# KiCad board Lime_RFE.kicad_pcb (continued)
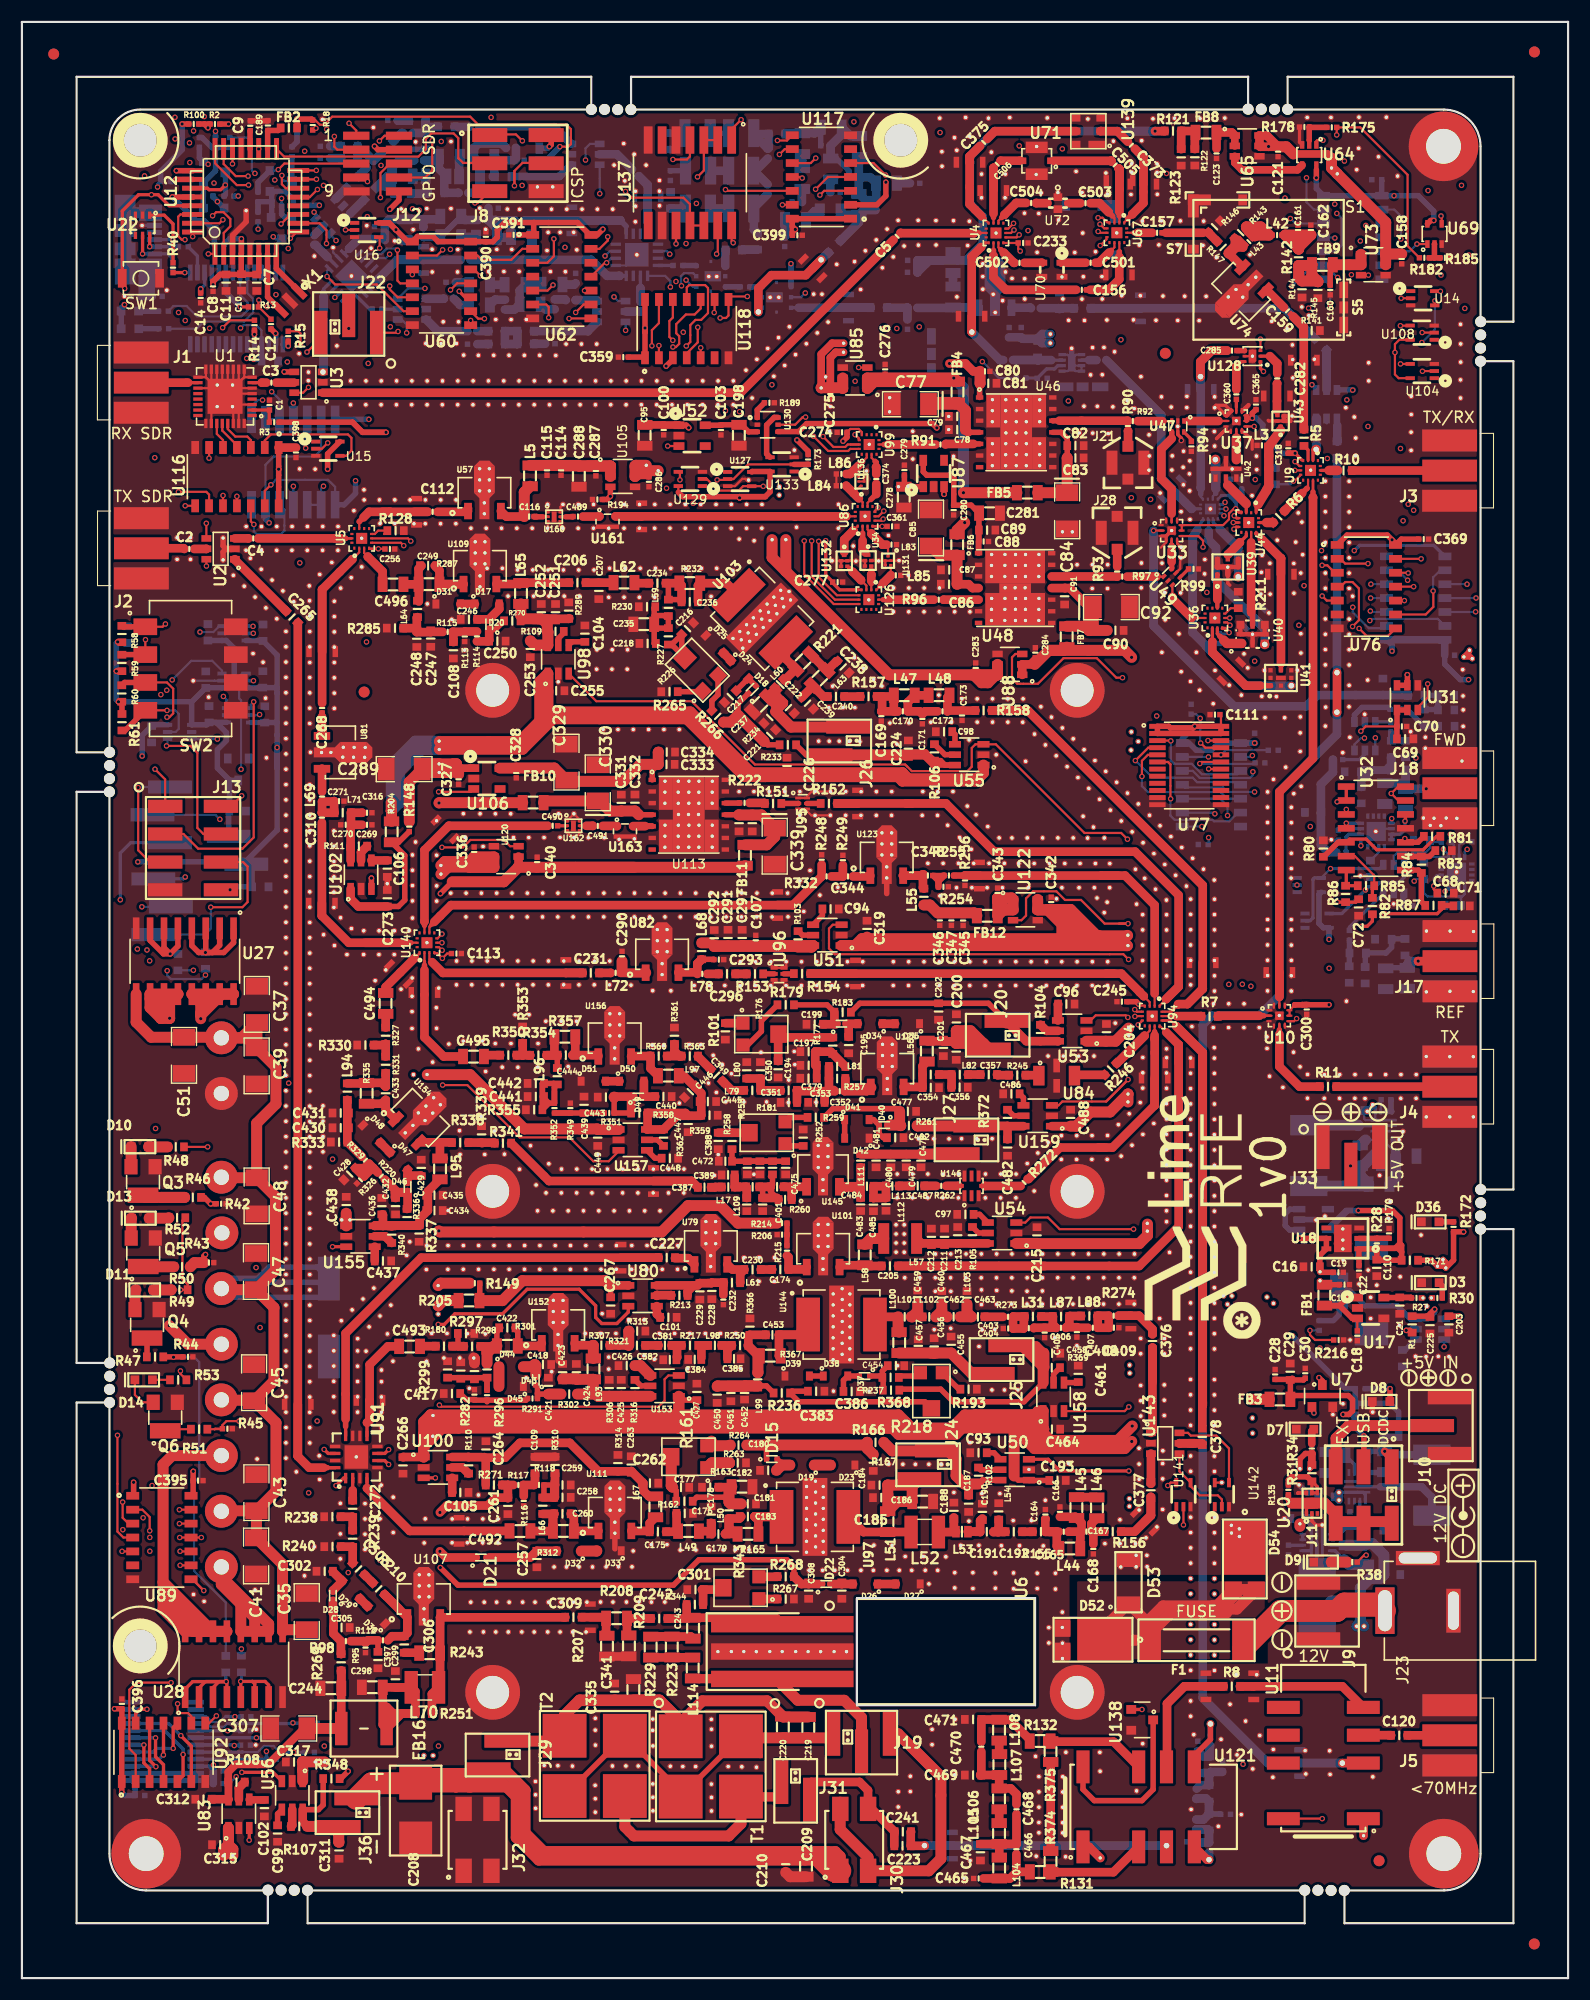
[diagram p0: board, top side]
## Placement (name value [footprint] x y rotation side) (continued)
GND_VIA#1674  VAL**  [GND_VIA]  118.85 80.28 90 top
GND_VIA#1675  VAL**  [GND_VIA]  118.86 82.45 90 top
GND_VIA#1676  VAL**  [GND_VIA]  117.31 80.29 90 top
GND_VIA#1677  VAL**  [GND_VIA]  117.32 82.46 90 top
GND_VIA#1678  VAL**  [GND_VIA]  116.64 83.16 90 top
GND_VIA#1679  VAL**  [GND_VIA]  115.07 81.28 90 top
GND_VIA#1680  VAL**  [GND_VIA]  113.63 85.89 180 top
GND_VIA#1681  VAL**  [GND_VIA]  113.63 84.84 180 top
GND_VIA#1682  VAL**  [GND_VIA]  113.86 82.3 90 top
GND_VIA#1683  VAL**  [GND_VIA]  116.04 84.49 90 top
GND_VIA#1684  VAL**  [GND_VIA]  53.84 119.44 90 top
GND_VIA#1685  VAL**  [GND_VIA]  55.24 119.44 90 top
GND_VIA#1686  VAL**  [GND_VIA]  52.45 119.44 90 top
GND_VIA#1687  VAL**  [GND_VIA]  52.47 121.22 90 top
GND_VIA#1688  VAL**  [GND_VIA]  55.27 121.22 90 top
GND_VIA#1689  VAL**  [GND_VIA]  53.87 121.22 90 top
GND_VIA#1690  VAL**  [GND_VIA]  93.39 43.6 90 top
GND_VIA#1691  VAL**  [GND_VIA]  113.17 129.83 180 top
GND_VIA#1692  VAL**  [GND_VIA]  113.88 129.11 180 top
GND_VIA#1693  VAL**  [GND_VIA]  113.11 128.29 180 top
GND_VIA#1694  VAL**  [GND_VIA]  113.07 126.3 180 top
GND_VIA#1695  VAL**  [GND_VIA]  113.91 126.29 180 top
GND_VIA#1696  VAL**  [GND_VIA]  116.71 122.68 180 top
GND_VIA#1697  VAL**  [GND_VIA]  121.43 126.1 180 top
GND_VIA#1698  VAL**  [GND_VIA]  114.56 131.22 180 top
GND_VIA#1699  VAL**  [GND_VIA]  116.07 129.1 180 top
GND_VIA#1700  VAL**  [GND_VIA]  116.7 128.22 180 top
GND_VIA#1701  VAL**  [GND_VIA]  116.08 126.38 180 top
GND_VIA#1702  VAL**  [GND_VIA]  116.88 129.9 180 top
GND_VIA#1703  VAL**  [GND_VIA]  116.24 131.04 180 top
GND_VIA#1704  VAL**  [GND_VIA]  116.8 132.87 180 top
GND_VIA#1705  VAL**  [GND_VIA]  116.47 133.71 180 top
GND_VIA#1706  VAL**  [GND_VIA]  112.69 137.66 180 top
GND_VIA#1707  VAL**  [GND_VIA]  112.66 138.89 180 top
GND_VIA#1708  VAL**  [GND_VIA]  112.26 135.28 180 top
GND_VIA#1709  VAL**  [GND_VIA]  111.52 120.84 180 top
GND_VIA#1710  VAL**  [GND_VIA]  104.33 123.95 180 top
GND_VIA#1711  VAL**  [GND_VIA]  105.59 122.67 180 top
GND_VIA#1712  VAL**  [GND_VIA]  107.18 120.98 180 top
GND_VIA#1713  VAL**  [GND_VIA]  108.88 119.33 180 top
GND_VIA#1714  VAL**  [GND_VIA]  110.18 117.99 180 top
GND_VIA#1715  VAL**  [GND_VIA]  111.28 117.08 180 top
GND_VIA#1716  VAL**  [GND_VIA]  113.44 115.03 180 top
GND_VIA#1717  VAL**  [GND_VIA]  115.23 115.01 180 top
GND_VIA#1718  VAL**  [GND_VIA]  108.71 116.29 180 top
GND_VIA#1719  VAL**  [GND_VIA]  106.64 118.33 180 top
GND_VIA#1720  VAL**  [GND_VIA]  104.03 120.98 180 top
GND_VIA#1721  VAL**  [GND_VIA]  105.79 119.21 180 top
GND_VIA#1722  VAL**  [GND_VIA]  107.48 117.53 180 top
GND_VIA#1723  VAL**  [GND_VIA]  103.99 144.3 0 top
GND_VIA#1724  VAL**  [GND_VIA]  104.88 143.37 0 top
GND_VIA#1725  VAL**  [GND_VIA]  102.12 146.14 0 top
GND_VIA#1726  VAL**  [GND_VIA]  98.74 148.81 0 top
GND_VIA#1727  VAL**  [GND_VIA]  97.7 148.79 0 top
GND_VIA#1728  VAL**  [GND_VIA]  97.52 146.3 0 top
GND_VIA#1729  VAL**  [GND_VIA]  98.59 146.32 0 top
GND_VIA#1730  VAL**  [GND_VIA]  100.85 143.94 0 top
GND_VIA#1731  VAL**  [GND_VIA]  101.51 143.23 0 top
GND_VIA#1732  VAL**  [GND_VIA]  106.31 144.34 0 top
GND_VIA#1733  VAL**  [GND_VIA]  106.3 143.32 0 top
GND_VIA#1734  VAL**  [GND_VIA]  108.84 144.3 0 top
GND_VIA#1735  VAL**  [GND_VIA]  108.85 143.31 0 top
GND_VIA#1736  VAL**  [GND_VIA]  108.81 141.14 0 top
GND_VIA#1737  VAL**  [GND_VIA]  108.84 139.8 0 top
GND_VIA#1738  VAL**  [GND_VIA]  106.01 139.33 0 top
GND_VIA#1739  VAL**  [GND_VIA]  105.97 137.87 0 top
GND_VIA#1740  VAL**  [GND_VIA]  102.86 140.83 0 top
GND_VIA#1741  VAL**  [GND_VIA]  103.87 135.52 0 top
GND_VIA#1742  VAL**  [GND_VIA]  103.84 134.23 0 top
GND_VIA#1743  VAL**  [GND_VIA]  105.78 133.82 0 top
GND_VIA#1744  VAL**  [GND_VIA]  106.59 133.11 0 top
GND_VIA#1745  VAL**  [GND_VIA]  106.57 135.71 0 top
GND_VIA#1746  VAL**  [GND_VIA]  105.99 136.27 0 top
GND_VIA#1747  VAL**  [GND_VIA]  106.58 138.46 0 top
GND_VIA#1748  VAL**  [GND_VIA]  106.54 137.27 0 top
GND_VIA#1749  VAL**  [GND_VIA]  104.94 137.62 0 top
GND_VIA#1750  VAL**  [GND_VIA]  104.98 138.91 0 top
GND_VIA#1751  VAL**  [GND_VIA]  102.88 138.9 0 top
GND_VIA#1752  VAL**  [GND_VIA]  102.84 137.6 0 top
GND_VIA#1753  VAL**  [GND_VIA]  111.86 119.56 180 top
GND_VIA#1754  VAL**  [GND_VIA]  113.15 116.97 180 top
GND_VIA#1755  VAL**  [GND_VIA]  114.48 116.94 180 top
GND_VIA#1756  VAL**  [GND_VIA]  121.72 138.91 180 top
GND_VIA#1757  VAL**  [GND_VIA]  121.72 140.54 180 top
GND_VIA#1758  VAL**  [GND_VIA]  121.59 142.46 180 top
GND_VIA#1759  VAL**  [GND_VIA]  120.82 143.31 180 top
GND_VIA#1760  VAL**  [GND_VIA]  117.94 147.73 180 top
GND_VIA#1761  VAL**  [GND_VIA]  117.94 146.09 180 top
GND_VIA#1762  VAL**  [GND_VIA]  117.44 151.73 180 top
GND_VIA#1763  VAL**  [GND_VIA]  116.8 152.5 180 top
GND_VIA#1764  VAL**  [GND_VIA]  108.06 153.47 180 top
GND_VIA#1765  VAL**  [GND_VIA]  106.11 153.48 180 top
GND_VIA#1766  VAL**  [GND_VIA]  104.13 153.49 180 top
GND_VIA#1767  VAL**  [GND_VIA]  102.07 153.53 180 top
GND_VIA#1768  VAL**  [GND_VIA]  100.37 153.53 180 top
GND_VIA#1769  VAL**  [GND_VIA]  99.01 151.31 180 top
GND_VIA#1770  VAL**  [GND_VIA]  101.43 151.32 180 top
GND_VIA#1771  VAL**  [GND_VIA]  103.49 151.28 180 top
GND_VIA#1772  VAL**  [GND_VIA]  105.47 151.27 180 top
GND_VIA#1773  VAL**  [GND_VIA]  107.43 151.26 180 top
GND_VIA#1774  VAL**  [GND_VIA]  96.96 151.27 180 top
GND_VIA#1775  VAL**  [GND_VIA]  95.52 151.28 180 top
GND_VIA#1776  VAL**  [GND_VIA]  99.71 148.41 0 top
GND_VIA#1777  VAL**  [GND_VIA]  116.65 111.94 180 top
GND_VIA#1778  VAL**  [GND_VIA]  116.66 115.1 180 top
GND_VIA#1779  VAL**  [GND_VIA]  115.33 110.5 180 top
GND_VIA#1780  VAL**  [GND_VIA]  114.21 109.39 180 top
GND_VIA#1781  VAL**  [GND_VIA]  116.74 108.75 180 top
GND_VIA#1782  VAL**  [GND_VIA]  120.53 111.83 180 top
GND_VIA#1783  VAL**  [GND_VIA]  113.79 124.58 180 top
GND_VIA#1784  VAL**  [GND_VIA]  14.16 131.44 90 top
GND_VIA#1785  VAL**  [GND_VIA]  15.38 131.45 90 top
GND_VIA#1786  VAL**  [GND_VIA]  15.38 129.47 90 top
GND_VIA#1787  VAL**  [GND_VIA]  14.16 129.46 90 top
GND_VIA#1788  VAL**  [GND_VIA]  121.98 166.98 180 top
GND_VIA#1789  VAL**  [GND_VIA]  123.8 166.2 180 top
GND_VIA#1790  VAL**  [GND_VIA]  124.51 169.82 180 top
GND_VIA#1791  VAL**  [GND_VIA]  125.54 164.44 180 top
GND_VIA#1792  VAL**  [GND_VIA]  121.81 165.02 180 top
GND_VIA#1793  VAL**  [GND_VIA]  92.64 157.48 0 top
GND_VIA#1794  VAL**  [GND_VIA]  96.08 157.47 0 top
GND_VIA#1795  VAL**  [GND_VIA]  96.86 155.26 0 top
GND_VIA#1796  VAL**  [GND_VIA]  98.56 155.28 0 top
GND_VIA#1797  VAL**  [GND_VIA]  94.91 155.24 0 top
GND_VIA#1798  VAL**  [GND_VIA]  87.57 162.47 0 top
GND_VIA#1799  VAL**  [GND_VIA]  89.72 162.47 0 top
GND_VIA#1800  VAL**  [GND_VIA]  89.75 164.62 0 top
GND_VIA#1801  VAL**  [GND_VIA]  87.57 164.62 0 top
GND_VIA#1802  VAL**  [GND_VIA]  91.49 161.06 0 top
GND_VIA#1803  VAL**  [GND_VIA]  92.79 161.03 0 top
GND_VIA#1804  VAL**  [GND_VIA]  94.6 160.45 0 top
GND_VIA#1805  VAL**  [GND_VIA]  96.2 164.87 0 top
GND_VIA#1806  VAL**  [GND_VIA]  92.56 164.59 0 top
GND_VIA#1807  VAL**  [GND_VIA]  92.6 167.14 0 top
GND_VIA#1808  VAL**  [GND_VIA]  88.47 166.62 0 top
GND_VIA#1809  VAL**  [GND_VIA]  96.75 162.95 0 top
GND_VIA#1810  VAL**  [GND_VIA]  94.54 162.94 0 top
GND_VIA#1811  VAL**  [GND_VIA]  93 162.91 0 top
GND_VIA#1812  VAL**  [GND_VIA]  98.92 164.72 0 top
GND_VIA#1813  VAL**  [GND_VIA]  101.29 164.8 0 top
GND_VIA#1814  VAL**  [GND_VIA]  103.59 164.78 0 top
GND_VIA#1815  VAL**  [GND_VIA]  101.27 165.59 0 top
GND_VIA#1816  VAL**  [GND_VIA]  103.59 165.56 0 top
GND_VIA#1817  VAL**  [GND_VIA]  99.04 162.81 0 top
GND_VIA#1818  VAL**  [GND_VIA]  101.21 162.76 0 top
GND_VIA#1819  VAL**  [GND_VIA]  103.61 162.78 0 top
GND_VIA#1820  VAL**  [GND_VIA]  103.22 169.67 0 top
GND_VIA#1821  VAL**  [GND_VIA]  100.88 169.71 0 top
GND_VIA#1822  VAL**  [GND_VIA]  93.57 169.75 0 top
GND_VIA#1823  VAL**  [GND_VIA]  97.27 169.66 0 top
GND_VIA#1824  VAL**  [GND_VIA]  90.15 169.78 0 top
GND_VIA#1825  VAL**  [GND_VIA]  86.46 168.08 0 top
GND_VIA#1826  VAL**  [GND_VIA]  85.31 166.8 0 top
GND_VIA#1827  VAL**  [GND_VIA]  88.2 169.73 0 top
GND_VIA#1828  VAL**  [GND_VIA]  102.18 167.68 0 top
GND_VIA#1829  VAL**  [GND_VIA]  99.61 167.63 0 top
GND_VIA#1830  VAL**  [GND_VIA]  91.51 153.23 0 top
GND_VIA#1831  VAL**  [GND_VIA]  94.99 153.23 180 top
GND_VIA#1832  VAL**  [GND_VIA]  96.74 153.22 180 top
GND_VIA#1833  VAL**  [GND_VIA]  98.59 153.23 180 top
GND_VIA#1834  VAL**  [GND_VIA]  86.31 158.11 180 top
GND_VIA#1835  VAL**  [GND_VIA]  83.42 158.16 180 top
GND_VIA#1836  VAL**  [GND_VIA]  49.11 104.09 90 top
GND_VIA#1837  VAL**  [GND_VIA]  51.69 104.07 90 top
GND_VIA#1838  VAL**  [GND_VIA]  53.14 104.07 90 top
GND_VIA#1839  VAL**  [GND_VIA]  55.89 103.97 90 top
GND_VIA#1840  VAL**  [GND_VIA]  54.5 103.91 90 top
GND_VIA#1841  VAL**  [GND_VIA]  50.37 104.09 90 top
GND_VIA#1842  VAL**  [GND_VIA]  93.71 31.98 180 top
GND_VIA#1843  VAL**  [GND_VIA]  93.71 30.59 180 top
GND_VIA#1844  VAL**  [GND_VIA]  85.13 35.6 180 top
GND_VIA#1845  VAL**  [GND_VIA]  85.13 37 180 top
GND_VIA#1846  VAL**  [GND_VIA]  86.78 37 180 top
GND_VIA#1847  VAL**  [GND_VIA]  86.78 35.55 180 top
GND_VIA#1848  VAL**  [GND_VIA]  90.49 35.53 180 top
GND_VIA#1849  VAL**  [GND_VIA]  90.49 36.97 180 top
GND_VIA#1850  VAL**  [GND_VIA]  88.83 36.97 180 top
GND_VIA#1851  VAL**  [GND_VIA]  88.83 35.58 180 top
GND_VIA#1852  VAL**  [GND_VIA]  92.66 35.55 180 top
GND_VIA#1853  VAL**  [GND_VIA]  92.66 36.95 180 top
GND_VIA#1854  VAL**  [GND_VIA]  94.31 36.95 180 top
GND_VIA#1855  VAL**  [GND_VIA]  94.31 35.5 180 top
GND_VIA#1856  VAL**  [GND_VIA]  45.62 31.59 90 top
GND_VIA#1857  VAL**  [GND_VIA]  44.39 31.58 90 top
GND_VIA#1858  VAL**  [GND_VIA]  40.88 31.58 90 top
GND_VIA#1859  VAL**  [GND_VIA]  42.11 31.59 90 top
GND_VIA#1860  VAL**  [GND_VIA]  43.24 31.58 90 top
GND_VIA#1861  VAL**  [GND_VIA]  49.11 31.58 90 top
GND_VIA#1862  VAL**  [GND_VIA]  47.98 31.59 90 top
GND_VIA#1863  VAL**  [GND_VIA]  46.75 31.58 90 top
GND_VIA#1864  VAL**  [GND_VIA]  50.25 31.58 90 top
GND_VIA#1865  VAL**  [GND_VIA]  51.48 31.59 90 top
GND_VIA#1866  VAL**  [GND_VIA]  57.43 39.55 90 top
GND_VIA#1867  VAL**  [GND_VIA]  51.56 34.3 90 top
GND_VIA#1868  VAL**  [GND_VIA]  50.33 34.3 90 top
GND_VIA#1869  VAL**  [GND_VIA]  46.82 34.3 90 top
GND_VIA#1870  VAL**  [GND_VIA]  48.06 34.3 90 top
GND_VIA#1871  VAL**  [GND_VIA]  49.19 34.3 90 top
GND_VIA#1872  VAL**  [GND_VIA]  43.32 34.3 90 top
GND_VIA#1873  VAL**  [GND_VIA]  42.19 34.3 90 top
GND_VIA#1874  VAL**  [GND_VIA]  40.96 34.3 90 top
GND_VIA#1875  VAL**  [GND_VIA]  44.46 34.3 90 top
GND_VIA#1876  VAL**  [GND_VIA]  45.69 34.3 90 top
GND_VIA#1877  VAL**  [GND_VIA]  52.81 34.32 90 top
GND_VIA#1878  VAL**  [GND_VIA]  56.3 34.32 90 top
GND_VIA#1879  VAL**  [GND_VIA]  55.17 34.32 90 top
GND_VIA#1880  VAL**  [GND_VIA]  53.94 34.32 90 top
GND_VIA#1881  VAL**  [GND_VIA]  57.44 34.32 90 top
GND_VIA#1882  VAL**  [GND_VIA]  58.67 34.32 90 top
GND_VIA#1883  VAL**  [GND_VIA]  54.44 37.53 90 top
GND_VIA#1884  VAL**  [GND_VIA]  55.68 37.53 90 top
GND_VIA#1885  VAL**  [GND_VIA]  55.78 38.98 90 top
GND_VIA#1886  VAL**  [GND_VIA]  53.31 37.53 90 top
GND_VIA#1887  VAL**  [GND_VIA]  49.7 37.52 90 top
GND_VIA#1888  VAL**  [GND_VIA]  48.56 37.52 90 top
GND_VIA#1889  VAL**  [GND_VIA]  50.84 37.52 90 top
GND_VIA#1890  VAL**  [GND_VIA]  52.07 37.52 90 top
GND_VIA#1891  VAL**  [GND_VIA]  62.74 39.07 90 top
GND_VIA#1892  VAL**  [GND_VIA]  61.51 39.07 90 top
GND_VIA#1893  VAL**  [GND_VIA]  58.87 39.56 90 top
GND_VIA#1894  VAL**  [GND_VIA]  60.07 39.06 90 top
GND_VIA#1895  VAL**  [GND_VIA]  63.98 39.08 90 top
GND_VIA#1896  VAL**  [GND_VIA]  66.34 39.08 90 top
GND_VIA#1897  VAL**  [GND_VIA]  65.11 39.08 90 top
GND_VIA#1898  VAL**  [GND_VIA]  82.77 35.97 180 top
GND_VIA#1899  VAL**  [GND_VIA]  93.2 39.44 180 top
GND_VIA#1900  VAL**  [GND_VIA]  89.38 39.46 180 top
GND_VIA#1901  VAL**  [GND_VIA]  91.04 39.46 180 top
GND_VIA#1902  VAL**  [GND_VIA]  87.33 39.49 180 top
GND_VIA#1903  VAL**  [GND_VIA]  85.67 39.49 180 top
GND_VIA#1904  VAL**  [GND_VIA]  84.31 38.45 180 top
GND_VIA#1905  VAL**  [GND_VIA]  82.26 38.47 180 top
GND_VIA#1906  VAL**  [GND_VIA]  80.6 38.47 180 top
GND_VIA#1907  VAL**  [GND_VIA]  77.75 39.5 180 top
GND_VIA#1908  VAL**  [GND_VIA]  79.4 39.5 180 top
GND_VIA#1909  VAL**  [GND_VIA]  92.12 41.75 180 top
GND_VIA#1910  VAL**  [GND_VIA]  90.46 41.75 180 top
GND_VIA#1911  VAL**  [GND_VIA]  87.59 44.21 180 top
GND_VIA#1912  VAL**  [GND_VIA]  89.25 44.21 180 top
GND_VIA#1913  VAL**  [GND_VIA]  86.42 41.7 180 top
GND_VIA#1914  VAL**  [GND_VIA]  85.05 44.32 180 top
GND_VIA#1915  VAL**  [GND_VIA]  76.57 37.21 90 top
GND_VIA#1916  VAL**  [GND_VIA]  75.34 37.21 90 top
GND_VIA#1917  VAL**  [GND_VIA]  71.83 37.21 90 top
GND_VIA#1918  VAL**  [GND_VIA]  73.06 37.21 90 top
GND_VIA#1919  VAL**  [GND_VIA]  74.19 37.21 90 top
GND_VIA#1920  VAL**  [GND_VIA]  80.06 37.21 90 top
GND_VIA#1921  VAL**  [GND_VIA]  78.93 37.21 90 top
GND_VIA#1922  VAL**  [GND_VIA]  77.7 37.21 90 top
GND_VIA#1923  VAL**  [GND_VIA]  81.2 37.21 90 top
GND_VIA#1924  VAL**  [GND_VIA]  82.43 37.21 90 top
GND_VIA#1925  VAL**  [GND_VIA]  83.57 37.21 90 top
GND_VIA#1926  VAL**  [GND_VIA]  83.9 46.89 90 top
GND_VIA#1927  VAL**  [GND_VIA]  82.76 46.89 90 top
GND_VIA#1928  VAL**  [GND_VIA]  81.53 46.89 90 top
GND_VIA#1929  VAL**  [GND_VIA]  80.39 46.89 90 top
GND_VIA#1930  VAL**  [GND_VIA]  79.11 46.9 90 top
GND_VIA#1931  VAL**  [GND_VIA]  88.52 53.67 90 top
GND_VIA#1932  VAL**  [GND_VIA]  89.66 53.67 90 top
GND_VIA#1933  VAL**  [GND_VIA]  90.89 53.67 90 top
GND_VIA#1934  VAL**  [GND_VIA]  87.34 57.64 90 top
GND_VIA#1935  VAL**  [GND_VIA]  54.04 70.01 90 top
GND_VIA#1936  VAL**  [GND_VIA]  55.44 70.01 90 top
GND_VIA#1937  VAL**  [GND_VIA]  56.83 70.01 90 top
GND_VIA#1938  VAL**  [GND_VIA]  58.23 70.01 90 top
GND_VIA#1939  VAL**  [GND_VIA]  52.64 70.01 90 top
GND_VIA#1940  VAL**  [GND_VIA]  51.25 70.01 90 top
GND_VIA#1941  VAL**  [GND_VIA]  49.85 70.01 90 top
GND_VIA#1942  VAL**  [GND_VIA]  48.45 70.01 90 top
GND_VIA#1943  VAL**  [GND_VIA]  47.05 70.01 90 top
GND_VIA#1944  VAL**  [GND_VIA]  44.63 85.28 90 top
GND_VIA#1945  VAL**  [GND_VIA]  49.21 87.32 90 top
GND_VIA#1946  VAL**  [GND_VIA]  46.28 87.91 90 top
GND_VIA#1947  VAL**  [GND_VIA]  45.01 87.91 90 top
GND_VIA#1948  VAL**  [GND_VIA]  47.81 87.32 90 top
GND_VIA#1949  VAL**  [GND_VIA]  43.2 85.28 90 top
GND_VIA#1950  VAL**  [GND_VIA]  42.01 85.51 90 top
GND_VIA#1951  VAL**  [GND_VIA]  40.27 85.51 90 top
GND_VIA#1952  VAL**  [GND_VIA]  50.6 87.32 90 top
GND_VIA#1953  VAL**  [GND_VIA]  83.95 166.67 0 top
GND_VIA#1954  VAL**  [GND_VIA]  85.1 167.95 0 top
GND_VIA#1955  VAL**  [GND_VIA]  83.96 165.34 0 top
GND_VIA#1956  VAL**  [GND_VIA]  86.12 169.79 0 top
GND_VIA#1957  VAL**  [GND_VIA]  83.76 169.73 0 top
GND_VIA#1958  VAL**  [GND_VIA]  105.17 169.73 0 top
GND_VIA#1959  VAL**  [GND_VIA]  107.51 169.68 0 top
GND_VIA#1960  VAL**  [GND_VIA]  117.29 169.79 0 top
GND_VIA#1961  VAL**  [GND_VIA]  109.77 169.74 0 top
GND_VIA#1962  VAL**  [GND_VIA]  119.46 169.79 180 top
GND_VIA#1963  VAL**  [GND_VIA]  122.01 169.82 180 top
GND_VIA#1964  VAL**  [GND_VIA]  103.75 158.17 0 top
GND_VIA#1965  VAL**  [GND_VIA]  105.49 158.17 0 top
GND_VIA#1966  VAL**  [GND_VIA]  101.97 158.14 0 top
GND_VIA#1967  VAL**  [GND_VIA]  97.97 157.54 0 top
GND_VIA#1968  VAL**  [GND_VIA]  99.56 143.38 0 top
GND_VIA#1969  VAL**  [GND_VIA]  98.13 143.43 0 top
GND_VIA#1970  VAL**  [GND_VIA]  96.92 143.44 0 top
GND_VIA#1971  VAL**  [GND_VIA]  96.5 141 0 top
GND_VIA#1972  VAL**  [GND_VIA]  97.71 140.99 0 top
GND_VIA#1973  VAL**  [GND_VIA]  99.14 140.94 0 top
GND_VIA#1974  VAL**  [GND_VIA]  81.3 141.15 0 top
GND_VIA#1975  VAL**  [GND_VIA]  81.3 138.62 0 top
GND_VIA#1976  VAL**  [GND_VIA]  109 157.02 0 top
GND_VIA#1977  VAL**  [GND_VIA]  107.78 158.12 0 top
GND_VIA#1978  VAL**  [GND_VIA]  83.06 21.3 180 top
GND_VIA#1979  VAL**  [GND_VIA]  83.06 22.7 180 top
GND_VIA#1980  VAL**  [GND_VIA]  81.07 18.42 180 top
GND_VIA#1981  VAL**  [GND_VIA]  81.07 17.02 180 top
GND_VIA#1982  VAL**  [GND_VIA]  79.97 15.61 180 top
GND_VIA#1983  VAL**  [GND_VIA]  79.97 17.01 180 top
GND_VIA#1984  VAL**  [GND_VIA]  101.72 17.09 180 top
GND_VIA#1985  VAL**  [GND_VIA]  98.39 18.88 180 top
GND_VIA#1986  VAL**  [GND_VIA]  102.28 21.39 180 top
GND_VIA#1987  VAL**  [GND_VIA]  98.36 20.6 180 top
GND_VIA#1988  VAL**  [GND_VIA]  81.81 76.59 90 top
GND_VIA#1989  VAL**  [GND_VIA]  83.21 76.59 90 top
GND_VIA#1990  VAL**  [GND_VIA]  84.6 76.59 90 top
GND_VIA#1991  VAL**  [GND_VIA]  88.54 76.6 90 top
GND_VIA#1992  VAL**  [GND_VIA]  87.14 76.6 90 top
GND_VIA#1993  VAL**  [GND_VIA]  85.75 76.6 90 top
GND_VIA#1994  VAL**  [GND_VIA]  18.36 131.41 90 top
GND_VIA#1995  VAL**  [GND_VIA]  18.36 129.42 90 top
GND_VIA#1996  VAL**  [GND_VIA]  96.8 159.25 0 top
GND_VIA#1997  VAL**  [GND_VIA]  27.47 79.59 180 top
GND_VIA#1998  VAL**  [GND_VIA]  27.47 76.8 180 top
GND_VIA#1999  VAL**  [GND_VIA]  27.47 75.4 180 top
GND_VIA#2000  VAL**  [GND_VIA]  27.47 78.2 180 top
GND_VIA#2001  VAL**  [GND_VIA]  126.78 144.35 180 top
GND_VIA#2002  VAL**  [GND_VIA]  126.79 142.69 180 top
GND_VIA#2003  VAL**  [GND_VIA]  126.77 139.41 180 top
GND_VIA#2004  VAL**  [GND_VIA]  126.77 141.07 180 top
GND_VIA#2005  VAL**  [GND_VIA]  131.28 145.85 180 top
GND_VIA#2006  VAL**  [GND_VIA]  131.28 144.19 180 top
GND_VIA#2007  VAL**  [GND_VIA]  131.3 147.46 180 top
GND_VIA#2008  VAL**  [GND_VIA]  131.29 149.12 180 top
GND_VIA#2009  VAL**  [GND_VIA]  131.28 150.92 180 top
GND_VIA#2010  VAL**  [GND_VIA]  122.9 145.75 180 top
GND_VIA#2011  VAL**  [GND_VIA]  122.9 147.41 180 top
GND_VIA#2012  VAL**  [GND_VIA]  110.38 40.61 0 top
GND_VIA#2013  VAL**  [GND_VIA]  110.37 41.32 0 top
GND_VIA#2014  VAL**  [GND_VIA]  111.1 41 0 top
GND_VIA#2015  VAL**  [GND_VIA]  111.1 40.3 0 top
GND_VIA#2016  VAL**  [GND_VIA]  100.28 37.52 90 top
GND_VIA#2017  VAL**  [GND_VIA]  101.68 37.53 90 top
GND_VIA#2018  VAL**  [GND_VIA]  102.66 38.57 90 top
GND_VIA#2019  VAL**  [GND_VIA]  102.68 37.54 90 top
GND_VIA#2020  VAL**  [GND_VIA]  101.68 38.57 90 top
GND_VIA#2021  VAL**  [GND_VIA]  94.94 32 180 top
GND_VIA#2022  VAL**  [GND_VIA]  94.94 33.39 180 top
GND_VIA#2023  VAL**  [GND_VIA]  94.96 30.56 180 top
GND_VIA#2024  VAL**  [GND_VIA]  94.96 29.16 180 top
GND_VIA#2025  VAL**  [GND_VIA]  62.65 81.67 90 top
GND_VIA#2026  VAL**  [GND_VIA]  61.41 82.88 90 top
GND_VIA#2027  VAL**  [GND_VIA]  63.37 80.82 90 top
GND_VIA#2028  VAL**  [GND_VIA]  47.1 85.28 90 top
GND_VIA#2029  VAL**  [GND_VIA]  57.56 90.11 90 top
GND_VIA#2030  VAL**  [GND_VIA]  59.22 90.1 90 top
GND_VIA#2031  VAL**  [GND_VIA]  15.66 35.01 180 top
GND_VIA#2032  VAL**  [GND_VIA]  16.63 34.37 180 top
GND_VIA#2033  VAL**  [GND_VIA]  41.92 78.63 90 top
GND_VIA#2034  VAL**  [GND_VIA]  107.84 160.33 0 top
GND_VIA#2035  VAL**  [GND_VIA]  102.24 160.34 0 top
GND_VIA#2036  VAL**  [GND_VIA]  105.72 160.35 0 top
GND_VIA#2037  VAL**  [GND_VIA]  103.98 160.35 0 top
GND_VIA#2038  VAL**  [GND_VIA]  115.96 147.7 180 top
GND_VIA#2039  VAL**  [GND_VIA]  115.98 146.02 180 top
GND_VIA#2040  VAL**  [GND_VIA]  115.94 149.03 180 top
GND_VIA#2041  VAL**  [GND_VIA]  115.45 150.54 180 top
GND_VIA#2042  VAL**  [GND_VIA]  114.05 151.18 180 top
GND_VIA#2043  VAL**  [GND_VIA]  28.74 148.95 90 top
GND_VIA#2044  VAL**  [GND_VIA]  25.3 148.24 90 top
GND_VIA#2045  VAL**  [GND_VIA]  45.38 155.73 90 top
GND_VIA#2046  VAL**  [GND_VIA]  43.98 155.73 90 top
GND_VIA#2047  VAL**  [GND_VIA]  42.58 155.73 90 top
GND_VIA#2048  VAL**  [GND_VIA]  49.6 155.72 90 top
GND_VIA#2049  VAL**  [GND_VIA]  48.23 155.73 90 top
GND_VIA#2050  VAL**  [GND_VIA]  39.75 155.69 90 top
GND_VIA#2051  VAL**  [GND_VIA]  37.44 155.69 90 top
GND_VIA#2052  VAL**  [GND_VIA]  39.78 157.74 90 top
GND_VIA#2053  VAL**  [GND_VIA]  47.92 157.65 90 top
GND_VIA#2054  VAL**  [GND_VIA]  50.64 157.71 90 top
GND_VIA#2055  VAL**  [GND_VIA]  43.34 157.75 90 top
GND_VIA#2056  VAL**  [GND_VIA]  44.71 157.75 90 top
GND_VIA#2057  VAL**  [GND_VIA]  48.44 163.45 90 top
GND_VIA#2058  VAL**  [GND_VIA]  47.04 163.45 90 top
GND_VIA#2059  VAL**  [GND_VIA]  39.16 167.59 90 top
GND_VIA#2060  VAL**  [GND_VIA]  32.07 168.88 90 top
GND_VIA#2061  VAL**  [GND_VIA]  85.32 153.42 0 top
GND_VIA#2062  VAL**  [GND_VIA]  37.43 157.76 90 top
GND_VIA#2063  VAL**  [GND_VIA]  85.02 138.87 0 top
GND_VIA#2064  VAL**  [GND_VIA]  109.18 13.84 0 bottom
GND_VIA#2065  VAL**  [GND_VIA]  111.27 14.92 0 bottom
GND_VIA#2066  VAL**  [GND_VIA]  109.43 21.79 0 bottom
GND_VIA#2067  VAL**  [GND_VIA]  106.94 22.22 0 bottom
GND_VIA#2068  VAL**  [GND_VIA]  42.66 137.74 0 bottom
GND_VIA#2069  VAL**  [GND_VIA]  41.77 137.74 0 bottom
GND_VIA#2070  VAL**  [GND_VIA]  41.77 136.72 0 bottom
GND_VIA#2071  VAL**  [GND_VIA]  41.77 135.72 0 bottom
GND_VIA#2072  VAL**  [GND_VIA]  42.2 133.62 0 bottom
GND_VIA#2073  VAL**  [GND_VIA]  42.2 134.62 0 bottom
GND_VIA#2074  VAL**  [GND_VIA]  42.66 135.72 0 bottom
GND_VIA#2075  VAL**  [GND_VIA]  42.66 136.72 0 bottom
GND_VIA#2076  VAL**  [GND_VIA]  42.25 130.05 0 bottom
GND_VIA#2077  VAL**  [GND_VIA]  42.25 129.05 0 bottom
GND_VIA#2078  VAL**  [GND_VIA]  41.8 127.96 0 bottom
GND_VIA#2079  VAL**  [GND_VIA]  41.8 126.96 0 bottom
GND_VIA#2080  VAL**  [GND_VIA]  41.37 129.05 0 bottom
GND_VIA#2081  VAL**  [GND_VIA]  41.37 130.05 0 bottom
GND_VIA#2082  VAL**  [GND_VIA]  41.37 131.07 0 bottom
GND_VIA#2083  VAL**  [GND_VIA]  42.25 131.07 0 bottom
GND_VIA#2084  VAL**  [GND_VIA]  79.37 104.51 0 bottom
GND_VIA#2085  VAL**  [GND_VIA]  78.48 104.51 0 bottom
GND_VIA#2086  VAL**  [GND_VIA]  78.48 103.49 0 bottom
GND_VIA#2087  VAL**  [GND_VIA]  78.48 102.49 0 bottom
GND_VIA#2088  VAL**  [GND_VIA]  78.92 100.4 0 bottom
GND_VIA#2089  VAL**  [GND_VIA]  78.92 101.4 0 bottom
GND_VIA#2090  VAL**  [GND_VIA]  79.37 102.49 0 bottom
GND_VIA#2091  VAL**  [GND_VIA]  79.37 103.49 0 bottom
GND_VIA#2092  VAL**  [GND_VIA]  58.87 94.67 0 bottom
GND_VIA#2093  VAL**  [GND_VIA]  58.87 93.67 0 bottom
GND_VIA#2094  VAL**  [GND_VIA]  58.42 92.57 0 bottom
GND_VIA#2095  VAL**  [GND_VIA]  58.42 91.57 0 bottom
GND_VIA#2096  VAL**  [GND_VIA]  57.99 93.67 0 bottom
GND_VIA#2097  VAL**  [GND_VIA]  57.99 94.67 0 bottom
GND_VIA#2098  VAL**  [GND_VIA]  57.99 95.68 0 bottom
GND_VIA#2099  VAL**  [GND_VIA]  58.87 95.68 0 bottom
GND_VIA#2100  VAL**  [GND_VIA]  79.43 85.21 0 bottom
GND_VIA#2101  VAL**  [GND_VIA]  78.54 85.21 0 bottom
GND_VIA#2102  VAL**  [GND_VIA]  78.54 84.19 0 bottom
GND_VIA#2103  VAL**  [GND_VIA]  78.54 83.19 0 bottom
GND_VIA#2104  VAL**  [GND_VIA]  78.97 81.09 0 bottom
GND_VIA#2105  VAL**  [GND_VIA]  78.97 82.09 0 bottom
GND_VIA#2106  VAL**  [GND_VIA]  79.43 83.19 0 bottom
GND_VIA#2107  VAL**  [GND_VIA]  79.43 84.19 0 bottom
GND_VIA#2108  VAL**  [GND_VIA]  54.55 86.98 0 bottom
GND_VIA#2109  VAL**  [GND_VIA]  54.55 85.98 0 bottom
GND_VIA#2110  VAL**  [GND_VIA]  54.09 84.89 0 bottom
GND_VIA#2111  VAL**  [GND_VIA]  54.09 83.89 0 bottom
GND_VIA#2112  VAL**  [GND_VIA]  53.66 85.98 0 bottom
GND_VIA#2113  VAL**  [GND_VIA]  53.66 86.98 0 bottom
GND_VIA#2114  VAL**  [GND_VIA]  53.66 88 0 bottom
GND_VIA#2115  VAL**  [GND_VIA]  54.55 88 0 bottom
GND_VIA#2116  VAL**  [GND_VIA]  73.56 75.98 0 bottom
GND_VIA#2117  VAL**  [GND_VIA]  72.67 75.98 0 bottom
GND_VIA#2118  VAL**  [GND_VIA]  72.67 74.97 0 bottom
GND_VIA#2119  VAL**  [GND_VIA]  72.67 73.97 0 bottom
GND_VIA#2120  VAL**  [GND_VIA]  73.1 71.87 0 bottom
GND_VIA#2121  VAL**  [GND_VIA]  73.1 72.87 0 bottom
GND_VIA#2122  VAL**  [GND_VIA]  73.56 73.97 0 bottom
GND_VIA#2123  VAL**  [GND_VIA]  73.56 74.97 0 bottom
GND_VIA#2124  VAL**  [GND_VIA]  73.56 67.76 0 bottom
GND_VIA#2125  VAL**  [GND_VIA]  73.56 66.76 0 bottom
GND_VIA#2126  VAL**  [GND_VIA]  73.1 65.67 0 bottom
GND_VIA#2127  VAL**  [GND_VIA]  73.1 64.67 0 bottom
GND_VIA#2128  VAL**  [GND_VIA]  72.67 66.76 0 bottom
GND_VIA#2129  VAL**  [GND_VIA]  72.67 67.76 0 bottom
GND_VIA#2130  VAL**  [GND_VIA]  72.67 68.78 0 bottom
GND_VIA#2131  VAL**  [GND_VIA]  73.56 68.78 0 bottom
GND_VIA#2132  VAL**  [GND_VIA]  63.31 69.04 0 bottom
GND_VIA#2133  VAL**  [GND_VIA]  62.42 69.04 0 bottom
GND_VIA#2134  VAL**  [GND_VIA]  62.42 68.02 0 bottom
GND_VIA#2135  VAL**  [GND_VIA]  62.42 67.02 0 bottom
GND_VIA#2136  VAL**  [GND_VIA]  62.85 64.93 0 bottom
GND_VIA#2137  VAL**  [GND_VIA]  62.85 65.93 0 bottom
GND_VIA#2138  VAL**  [GND_VIA]  63.31 67.02 0 bottom
GND_VIA#2139  VAL**  [GND_VIA]  63.31 68.02 0 bottom
GND_VIA#2140  VAL**  [GND_VIA]  49.38 60.83 0 bottom
GND_VIA#2141  VAL**  [GND_VIA]  49.38 59.83 0 bottom
GND_VIA#2142  VAL**  [GND_VIA]  48.92 58.73 0 bottom
GND_VIA#2143  VAL**  [GND_VIA]  48.92 57.73 0 bottom
GND_VIA#2144  VAL**  [GND_VIA]  48.49 59.83 0 bottom
GND_VIA#2145  VAL**  [GND_VIA]  48.49 60.83 0 bottom
GND_VIA#2146  VAL**  [GND_VIA]  48.49 61.85 0 bottom
GND_VIA#2147  VAL**  [GND_VIA]  49.38 61.85 0 bottom
GND_VIA#2148  VAL**  [GND_VIA]  54.57 44.71 0 bottom
GND_VIA#2149  VAL**  [GND_VIA]  53.68 44.71 0 bottom
GND_VIA#2150  VAL**  [GND_VIA]  53.68 43.69 0 bottom
GND_VIA#2151  VAL**  [GND_VIA]  53.68 42.69 0 bottom
GND_VIA#2152  VAL**  [GND_VIA]  54.11 40.6 0 bottom
GND_VIA#2153  VAL**  [GND_VIA]  54.11 41.6 0 bottom
